# Altium PCB HDMI_to_RGB.PcbDoc (part 1 of 2)
Units mil, origin at the board's own origin, x right, y up, seen from the top; angles counter-clockwise.
Board outline 2363 x 1449 mil, 2 copper layers (Top Layer, Bottom Layer); 96 components, 139 nets, 535 pads, 200 vias.
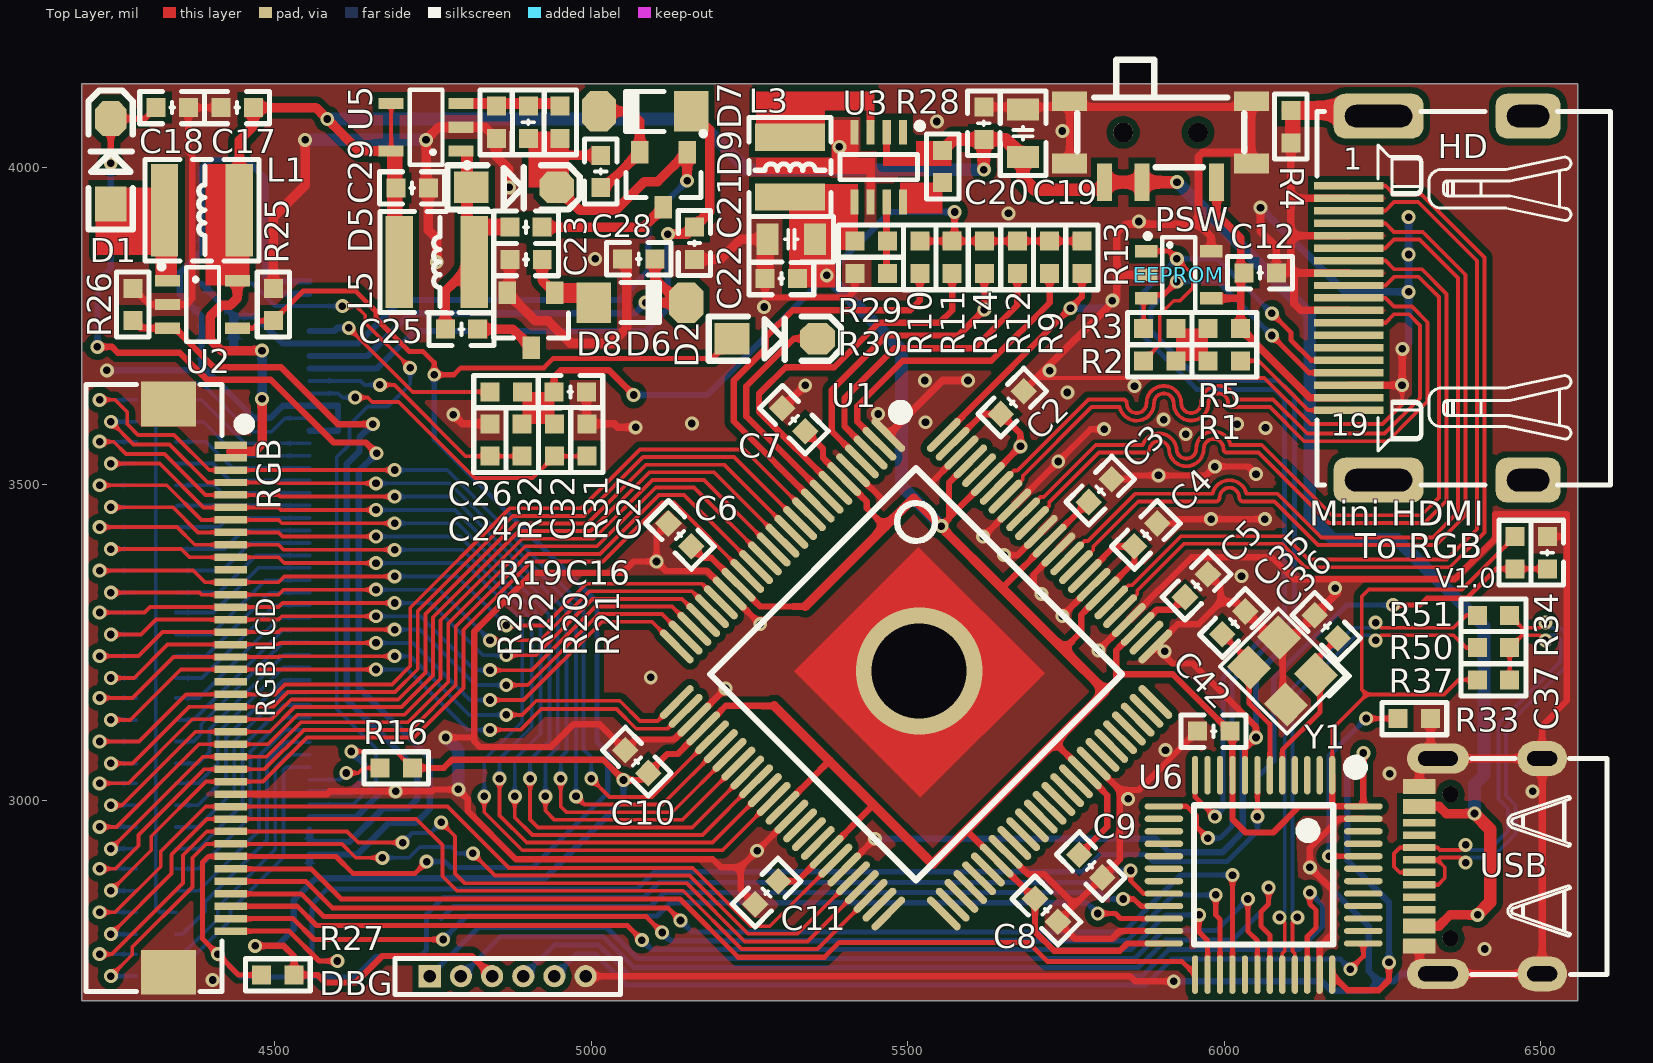
[diagram p0: Top Layer view]
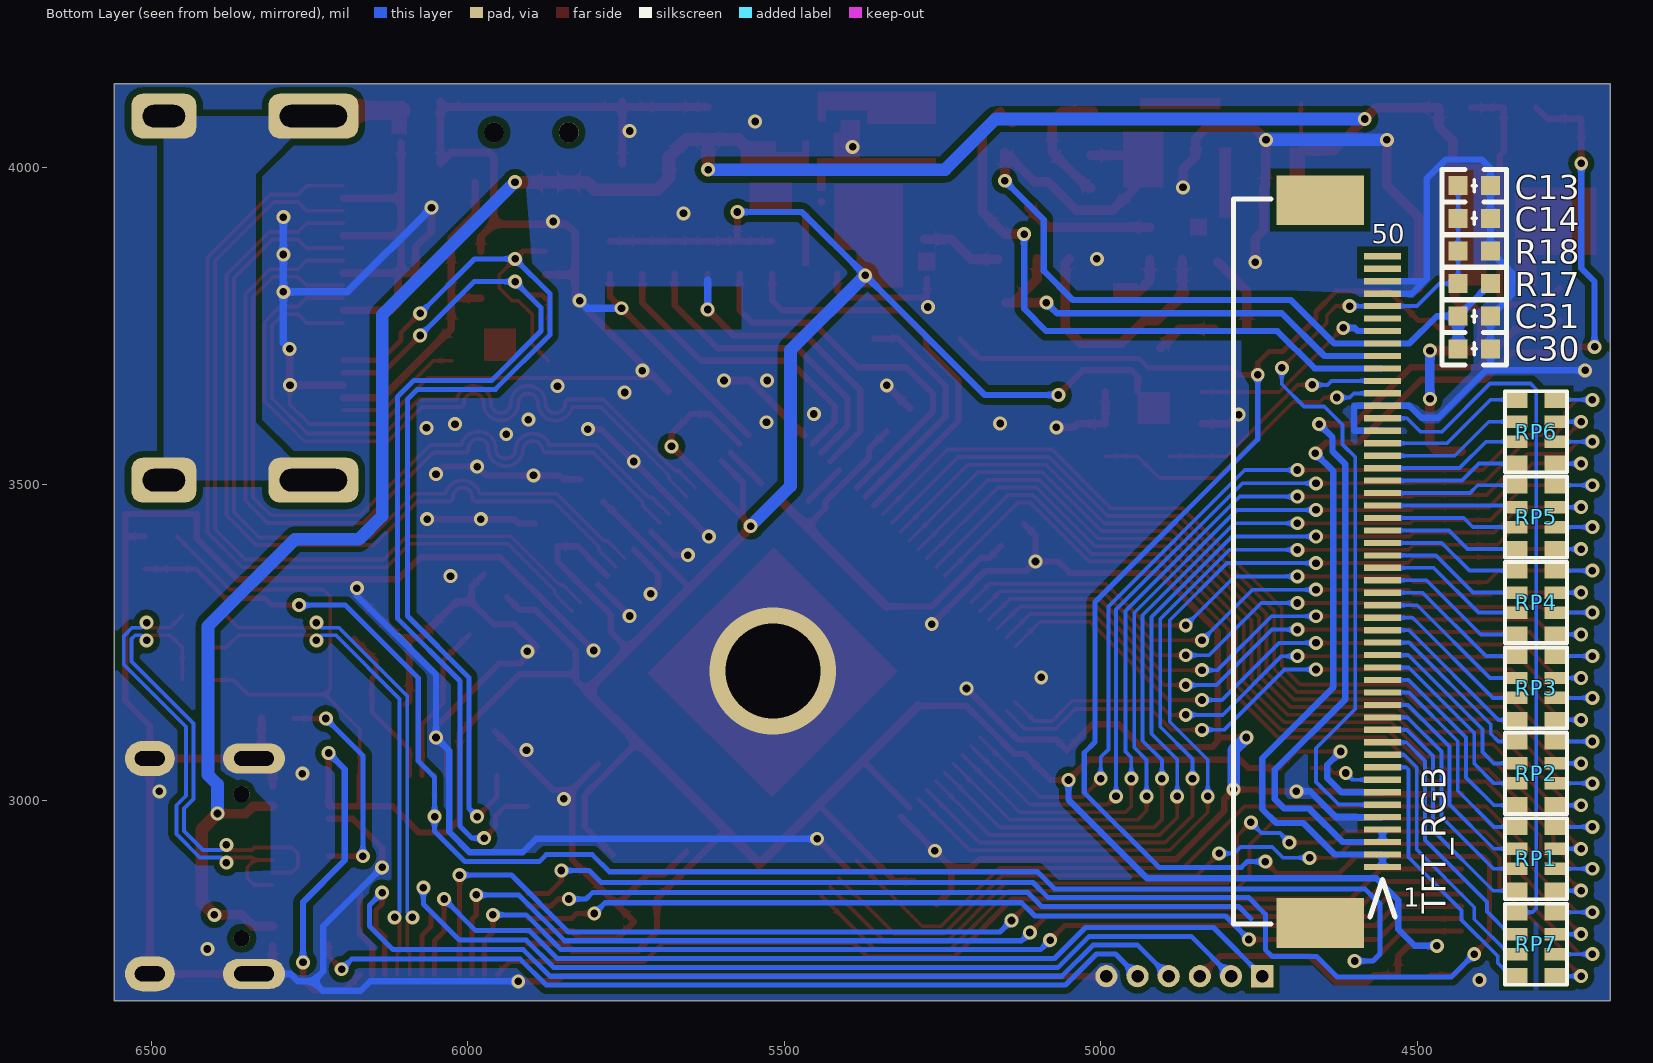
[diagram p1: Bottom Layer view, seen from below]
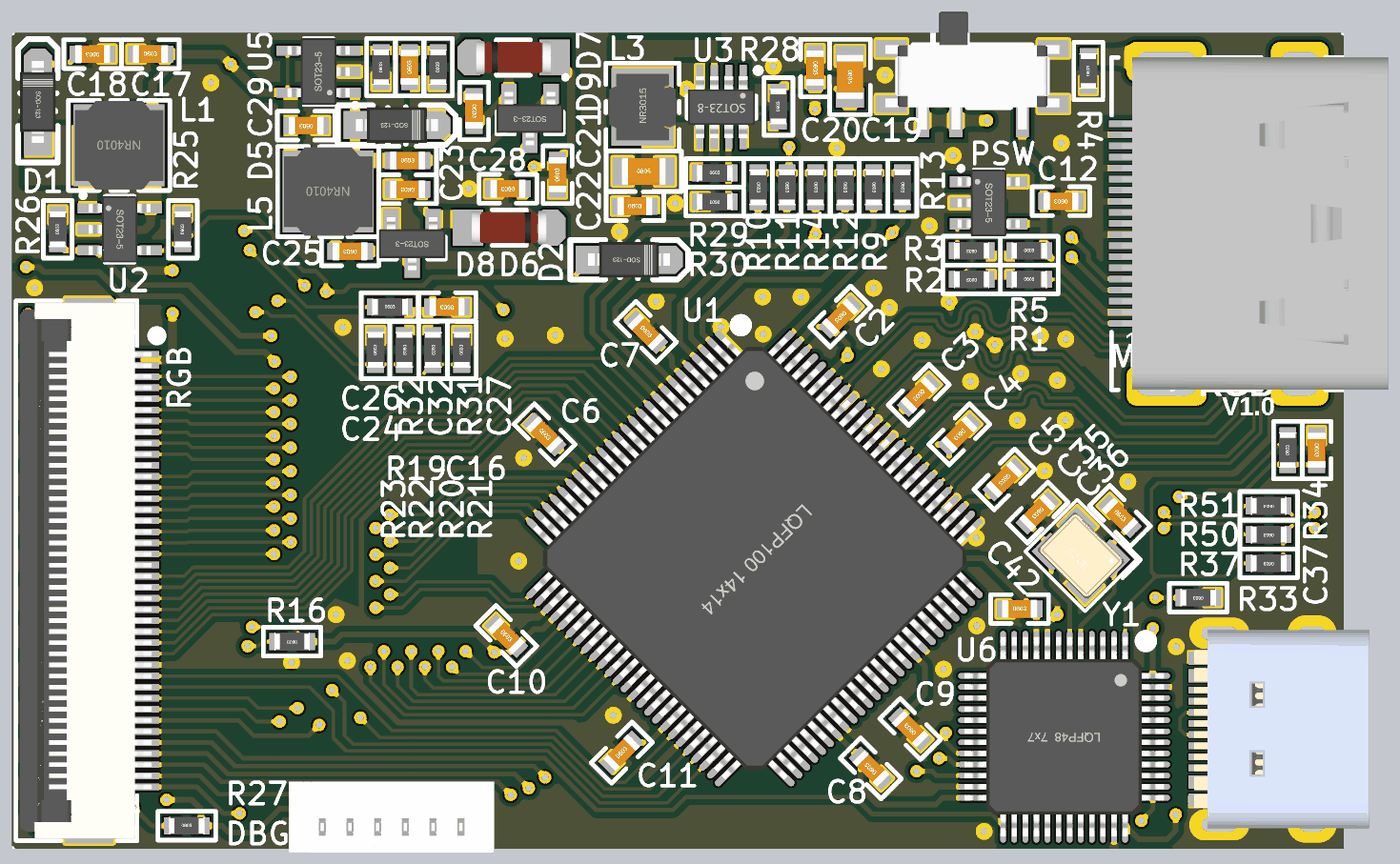
[diagram p3: 3D render of the assembled board from above, using the file's embedded part models]
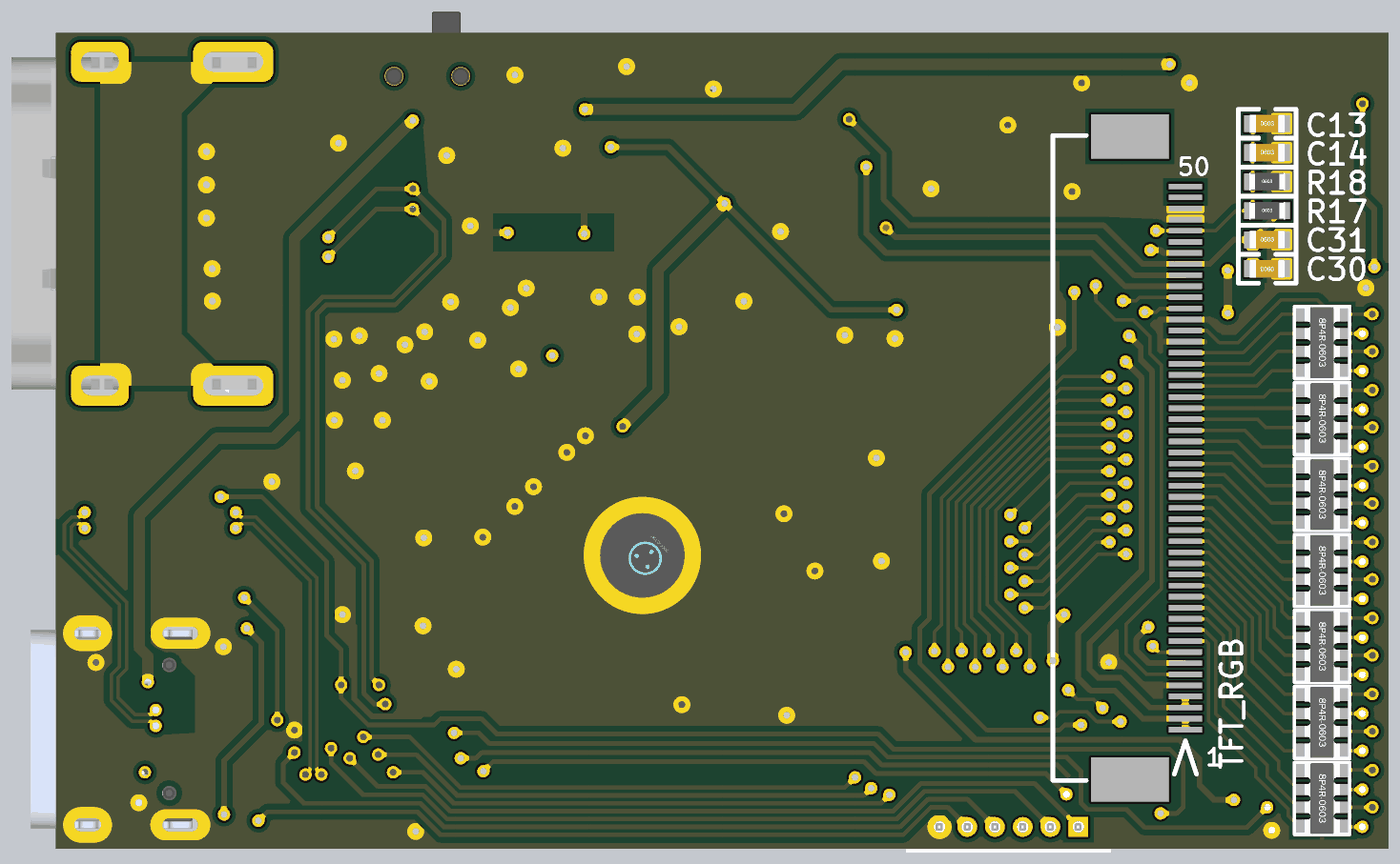
[diagram p4: 3D render of the assembled board from below, using the file's embedded part models]

## Layer stack, top to bottom
Top Solder: solder mask 0.4, Solder Resist, Dk 3.5
Top Layer: signal copper 1.4
Dielectric 1: dielectric 12.6, FR-4, Dk 4.8
Bottom Layer: signal copper 1.4
Bottom Solder: solder mask 0.4, Solder Resist, Dk 3.5

## Board outline
4195,2684 6558,2684 6558,4133 4195,4133

## Design rules (kind name [scope] priority, off if disabled: settings)
Clearance [All] p1: gap=6
DiffPairsRouting DiffPair_hdmiDiffPairsRouting [All] p1: maxlimit=6 minlimit=6 mostfreqgap=6 toplayer_minwidth=6 toplayer_maxwidth=6 toplayer_prefwidth=6 bottomlayer_minwidth=6 bottomlayer_maxwidth=6 bottomlayer_prefwidth=6 maxuncoupledlength=500
DiffPairsRouting [All] p2: maxlimit=10 minlimit=10 mostfreqgap=10 toplayer_minwidth=15 toplayer_maxwidth=15 toplayer_prefwidth=15 bottomlayer_minwidth=15 bottomlayer_maxwidth=15 bottomlayer_prefwidth=15 maxuncoupledlength=500
MatchedLengths DiffPair_hdmiMatchedLengths [All] p1: tolerance=1000 checknetsindiffpair=FALSE checkdiffpairvsdiffpair=TRUE checkxsignals=TRUE checkothers=TRUE
PlaneConnect [All] p1: planeconnectstyle=Direct reliefexpansion=20 reliefentries=4 reliefconductorwidth=10 reliefairgap=10
PolygonConnect [All] p1: connectstyle=Direct reliefconductorwidth=10 reliefentries=4 polygonreliefangle="45 Angle" airgapwidth=10
RoutingVias [All] p1: holewidth=12 width=22 viastyle="Through Hole" minholewidth=12 minwidth=22 maxholewidth=200 maxwidth=500
SolderMaskExpansion [All] p1: expansion=4
Width [All] p1: maxlimit=500 minlimit=6 preferedwidth=6 minimp=50.000000 maximp=50.000000 favimp=50.000000
28 further rules are at their usual default settings.

## Classes and differential pairs
differential pair HDMI_D0: +D0N -D0P
differential pair HDMI_D1: +D1N -D1P
differential pair HDMI_D2: +D2N -D2P
differential pair HDMI_CLK: +CLKP -CLKN
differential pair USB: +PA11 -PA12

## Components (designator, comment, footprint, x,y, rotation, side; value= is the part's Value field where it differs from the comment)
C2 "104" "C 0603_L" 5665,3629 r225 top
C3 "104" "C 0603_L" 5804,3490 r225 top
C4 "104" "C 0603_L" 5876,3420 r225 top
C5 "104" "C 0603_L" 5956,3340 r225 top
C6 "104" "C 0603_L" 5140,3420 r315 top
C7 "104" "C 0603_L" 5320,3602 r315 top
C8 "104" "C 0603_L" 5719,2827 r135 top
C9 "104" "C 0603_L" 5789,2897 r135 top
C10 "104" "C 0603_L" 5072,3062 r315 top
C11 "4.7uF" "C 0603_L" 5277,2855 r45 top
C12 "104" "C 0603_L" 6056.41,3834 r180 top
C13 "104" "C 0603_L" 4409.99,3971.59 r180 bottom
C14 "1uF" "C 0603_L" 4409.99,3920.07 r180 bottom
C16 "104" "C 0603_L" 4967,3646 r180 top
C17 "1uF" "C 0603_L" 4440.59,4095 r0 top
C18 "1uF" "C 0603_L" 4338,4095 r180 top
C19 "47uF" "C 0805_L" 5682,4054.6 r270 top
C20 "104" "C 0603_L" 5620,4070.34 r270 top
C21 "47uF" "C 0805_L" 5316,3887 r0 top
C22 "104" "C 0603_L" 5300.26,3825 r0 top
C23 "1uF" "C 0603_L" 5075,3856 r180 top
C24 "4.7uF" "C 0603_L" 4897,3855 r180 top
C25 "1uF" "C 0603_L" 4795,3745 r180 top
C26 "1uF" "C 0603_L" 4897,3906 r0 top
C27 "1uF" "C 0603_L" 5015,3994 r270 top
C28 "4.7uF" "C 0603_L" 5163,3881 r90 top
C29 "10uF" "C 0603_L" 4717,3968 r180 top
C30 "10uF" "C 0603_L" 4410,3714 r0 bottom
C31 "104" "C 0603_L" 4409.99,3765.52 r180 bottom
C32 "22" "C 0603_L" 4900.5,4071.71 r90 top
C35 "22pF" "C 0603_L" 6015,3281 r225 top
C36 "22pF" "C 0603_L" 6161,3275 r315 top
C37 "104" "C 0603_L" 6510,3392 r270 top
C42 "104" "C 0603_L" 5983,3110 r0 top
D1 "MBR0520" SOD-123 4241,4010 r90 top
D2 "IN4148" SOD-123 5290,3730 r0 top
D5 "MBR0520" SOD-123 4878,3969 r0 top
D6 "ZMM3V9" "MINI_MELF (LL34)" 5077.03,3787 r0 top
D7 "ZMM4V7" "MINI_MELF (LL34)" 5085,4089 r180 top
D8 "BAT54S" SOT23-3L 4905,3759 r180 top
D9 "BAT54S" SOT23-3L 5114,3981 r180 top
DBG "Header 6" "MX 1.25-LI-6P" 4868.43,2723 r0 top
EEPROM "AT24C02" AT24C02 5928,3831 r270 top
HD "HDMI" HDMI_A 6342,3794 r270 top locked
L1 "4.7uH" NR4010 4385,3933 r180 top
L3 "1uH" NR3015 5314,4001 r90 top
L5 "4.7uH" NR4010 4756,3851 r180 top
PSW "SWITCH" SWITCH 5899.3,4055.79 r180 top
R1 "10K" "R 0603_L" 6000,3695 r0 top
R2 "10K" "R 0603_L" 5898,3695 r180 top
R3 "10K" "R 0603_L" 5898,3746 r180 top
R4 "0R" "R 0603_L" 6105,4065 r90 top
R5 "0R" "R 0603_L" 6000,3746 r0 top
R9 "10K" "R 0603_L" 5724,3858.4 r270 top
R10 "10K" "R 0603_L" 5519,3858.4 r270 top
R11 "10K" "R 0603_L" 5570,3858.4 r270 top
R12 "10K" "R 0603_L" 5673,3858.4 r270 top
R13 "NC" "R 0603_L" 5775,3858.4 r270 top
R14 "NC" "R 0603_L" 5621,3858.4 r270 top
R16 "4.7K" "R 0603_L" 4692,3052 r180 top
R17 "51K" "R 0603_L" 4409.99,3817.04 r180 bottom
R18 "39K" "R 0603_L" 4409.99,3868.55 r180 bottom
R19 "10K" "R 0603_L" 4865.6,3646 r0 top
R20 "10K" "R 0603_L" 4942,3570 r270 top
R21 "NC" "R 0603_L" 4993,3570 r90 top
R22 "NC" "R 0603_L" 4891,3570 r270 top
R23 "10K" "R 0603_L" 4840,3570 r90 top
R25 "100K" "R 0603_L" 4498,3784 r90 top
R26 "10R" "R 0603_L" 4276,3784 r90 top
R27 "4.7K" "R 0603_L" 4505,2725 r0 top
R28 "10K" "R 0603_L" 5555,4002 r90 top
R29 "180K" "R 0603_L" 5442,3884 r0 top
R30 "40.2K" "R 0603_L" 5442,3833 r180 top
R31 "732K" "R 0603_L" 4951,4071.71 r90 top
R32 "100K" "R 0603_L" 4850,4071.71 r90 top
R33 "10K" "R 0603_L" 6300,3130 r180 top
R34 "10K" "R 0603_L" 6459,3392 r90 top
R37 "1.5K" "R 0603_L" 6425,3191 r180 top
R50 "10R" "R 0603_L" 6425,3242 r180 top
R51 "10R" "R 0603_L" 6425,3293 r180 top
RGB "RGBLCD" "FPC0.5 2H-WS-40P" 4332,3178 r270 top
RP1 "33R" P_pack 4312.5,2908.51 r0 bottom
RP2 "33R" P_pack 4312.5,3043.4 r0 bottom
RP3 "33R" P_pack 4312.5,3178.3 r0 bottom
RP4 "33R" P_pack 4312.5,3313.2 r0 bottom
RP5 "33R" P_pack 4312.5,3448.1 r0 bottom
RP6 "33R" P_pack 4312.5,3583 r0 bottom
RP7 "33R" P_pack 4312.5,2773.61 r0 bottom
TFT_RGB "TFTLCD" FPC-TOP50 4555,2895.58 r90 bottom locked
U1 "tfp401a" LQFP100 5513,3200 r225 top locked
U2 "MP3302DJ" SOT23-5L 4386,3784 r270 top
U3 "MP2144" SOT23-8L 5454,4001 r180 top
U5 "TPS61040" SOT23-5L 4739,4064 r90 top
U6 "STM32F103C8T6" "LQFP48 7X7_L" 6062,2883 r180 top locked
USB "USB TypeC" "USB Type-C" 6404.93,2896.78 r90 top
Y1 "8M" "OSC 3225-4P" 6092,3205 r135 top

## Footprints (in the part's own frame and the unit in brackets; to place one, negate y for a bottom-side part, rotate by r counter-clockwise, add the part's x,y. Pads: shape width x height; smd on the part's side, far side on the other; paste and mask are expansions set on the pad)
AT24C02 [mm]
  rect 0.5x0.9 smd: 1(-0.95,-1.3) 2(0,-1.3) 3(0.95,-1.3) 4(0.95,1.3) 5(-0.95,1.3)
  silkscreen extent -1.63,-1.32 1.5,0.66, body extent -1.5,-1.4 1.5,1.4, height 1.15
"C 0603_L" [mil] "无极性贴片电容"
  rect 30x30 smd: 1(-25.59,0) 2(25.59,0)
  silkscreen extent -51,-26 51,26, body extent -31,-16 31,16, height 32
"C 0805_L" [mil] "无极性贴片电容"
  rect 35x50 smd: 1(-37.4,0) 2(37.4,0)
  silkscreen extent -67,-36 67,36, body extent -39,-24 39,24, height 20
"FPC0.5 2H-WS-40P" [mm] "长：24.2mm，宽：5.2mm，高：2mm"
  rect 1.8x2.2 smd: 0(-11.4,0) 0(11.4,0)
  rect 0.3x1.3 smd: 1(-9.75,2.497) 2(-9.25,2.497) 3(-8.75,2.497) 4(-8.25,2.497) 5(-7.75,2.497) 6(-7.25,2.497) 7(-6.75,2.497) 8(-6.25,2.497) 9(-5.75,2.497) 10(-5.25,2.497) 11(-4.75,2.497) 12(-4.25,2.497) 13(-3.75,2.497) 14(-3.25,2.497) 15(-2.75,2.497) 16(-2.25,2.497) 17(-1.75,2.497) 18(-1.25,2.497) 19(-0.75,2.497) 20(-0.25,2.497) 21(0.25,2.497) 22(0.75,2.497) 23(1.25,2.497) 24(1.75,2.497) 25(2.25,2.497) 26(2.75,2.497) 27(3.25,2.497) 28(3.75,2.497) 29(4.25,2.497) 30(4.75,2.497) 31(5.25,2.497) 32(5.75,2.497) 33(6.25,2.497) 34(6.75,2.497) 35(7.25,2.497) 36(7.75,2.497) 37(8.25,2.497) 38(8.75,2.497) 39(9.25,2.497) 40(9.75,2.497)
  silkscreen extent -12.17,-3.3 12.17,3.23, body extent -12.1,-3.15 12.1,2.85, height 2
FPC-TOP50 [mm]
  rect 0.25x1.5 smd: 1(0,0) 2(0.5,0) 3(1,0) 4(1.5,0) 5(2,0) 6(2.5,0) 7(3,0) 8(3.5,0) 9(4,0) 10(4.5,0) 11(5,0) 12(5.5,0) 13(6,0) 14(6.5,0) 15(7,0) 16(7.5,0) 17(8,0) 18(8.5,0) 19(9,0) 20(9.5,0) 21(10,0) 22(10.5,0) 23(11,0) 24(11.5,0) 25(12,0) 26(12.5,0) 27(13,0) 28(13.5,0) 29(14,0) 30(14.5,0) 31(15,0) 32(15.5,0) 33(16,0) 34(16.5,0) 35(17,0) 36(17.5,0) 37(18,0) 38(18.5,0) 39(19,0) 40(19.5,0) 41(20,0) 42(20.5,0) 43(21,0) 44(21.5,0) 45(22,0) 46(22.5,0) 47(23,0) 48(23.5,0) 49(24,0) 50(24.5,0)
  rect 2x3.5 smd: A(-2.25,2.5) B(26.75,2.5)
  silkscreen extent -2.29,-0.5 26.8,5.97
HDMI_A [mm]
  rect 0.3x2.794 smd mask+0.05: 1(-4.507,-3.697) 2(-4.007,-3.697) 3(-3.507,-3.697) 4(-3.007,-3.697) 5(-2.507,-3.697) 6(-2.007,-3.697) 7(-1.507,-3.697) 8(-1.007,-3.697) 9(-0.507,-3.697) 10(-0.007,-3.697) 11(0.493,-3.697) 12(0.993,-3.697) 13(1.493,-3.697) 14(1.993,-3.697) 15(2.493,-3.697) 16(2.993,-3.697) 17(3.493,-3.697) 18(3.993,-3.697) 19(4.493,-3.697)
  rrect50% 1.8x3.6 hole 0.9 slot 2.7 at 90 deg: G1(7.302,-2.5) G4(-7.302,-2.5)
  rrect50% 1.8x2.6 hole 0.9 slot 1.7 at 90 deg: G2(7.302,3.5) G3(-7.302,3.5)
  silkscreen extent -7.49,-4.97 7.49,6.8, body extent -7.51,-4.5 7.49,7.5, height 6.08
"LQFP48 7X7_L" [mm] "48脚，体宽7x7mm，脚距0.5mm"
  oval 0.25x1.55 smd: 1(-2.75,-4) 2(-2.25,-4) 3(-1.75,-4) 4(-1.25,-4) 5(-0.75,-4) 6(-0.25,-4) 7(0.25,-4) 8(0.75,-4) 9(1.25,-4) 10(1.75,-4) 11(2.25,-4) 12(2.75,-4) 25(2.75,4) 26(2.25,4) 27(1.75,4) 28(1.25,4) 29(0.75,4) 30(0.25,4) 31(-0.25,4) 32(-0.75,4) 33(-1.25,4) 34(-1.75,4) 35(-2.25,4) 36(-2.75,4)
  oval 1.55x0.25 smd: 13(4,-2.75) 14(4,-2.25) 15(4,-1.75) 16(4,-1.25) 17(4,-0.75) 18(4,-0.25) 19(4,0.25) 20(4,0.75) 21(4,1.25) 22(4,1.75) 23(4,2.25) 24(4,2.75) 37(-4,2.75) 38(-4,2.25) 39(-4,1.75) 40(-4,1.25) 41(-4,0.75) 42(-4,0.25) 43(-4,-0.25) 44(-4,-0.75) 45(-4,-1.25) 46(-4,-1.75) 47(-4,-2.25) 48(-4,-2.75)
  silkscreen extent -3.93,-4.57 2.79,2.79, body extent -4.5,-4.5 4.5,4.5, height 1.45
LQFP100 [mm]
  oval 0.3x1.8 smd: 1(-6,-7.575) 2(-5.5,-7.575) 3(-5,-7.575) 4(-4.5,-7.575) 5(-4,-7.575) 6(-3.5,-7.575) 7(-3,-7.575) 8(-2.5,-7.575) 9(-2,-7.575) 10(-1.5,-7.575) 11(-1,-7.575) 12(-0.5,-7.575) 13(0,-7.575) 14(0.5,-7.575) 15(1,-7.575) 16(1.5,-7.575) 17(2,-7.575) 18(2.5,-7.575) 19(3,-7.575) 20(3.5,-7.575) 21(4,-7.575) 22(4.5,-7.575) 23(5,-7.575) 24(5.5,-7.575) 25(6,-7.575) 51(6,7.575) 52(5.5,7.575) 53(5,7.575) 54(4.5,7.575) 55(4,7.575) 56(3.5,7.575) 57(3,7.575) 58(2.5,7.575) 59(2,7.575) 60(1.5,7.575) 61(1,7.575) 62(0.5,7.575) 63(0,7.575) 64(-0.5,7.575) 65(-1,7.575) 66(-1.5,7.575) 67(-2,7.575) 68(-2.5,7.575) 69(-3,7.575) 70(-3.5,7.575) 71(-4,7.575) 72(-4.5,7.575) 73(-5,7.575) 74(-5.5,7.575) 75(-6,7.575)
  oval 1.8x0.3 smd: 26(7.575,-6) 27(7.575,-5.5) 28(7.575,-5) 29(7.575,-4.5) 30(7.575,-4) 31(7.575,-3.5) 32(7.575,-3) 33(7.575,-2.5) 34(7.575,-2) 35(7.575,-1.5) 36(7.575,-1) 37(7.575,-0.5) 38(7.575,0) 39(7.575,0.5) 40(7.575,1) 41(7.575,1.5) 42(7.575,2) 43(7.575,2.5) 44(7.575,3) 45(7.575,3.5) 46(7.575,4) 47(7.575,4.5) 48(7.575,5) 49(7.575,5.5) 50(7.575,6) 76(-7.575,6) 77(-7.575,5.5) 78(-7.575,5) 79(-7.575,4.5) 80(-7.575,4) 81(-7.575,3.5) 82(-7.575,3) 83(-7.575,2.5) 84(-7.575,2) 85(-7.575,1.5) 86(-7.575,1) 87(-7.575,0.5) 88(-7.575,0) 89(-7.575,-0.5) 90(-7.575,-1) 91(-7.575,-1.5) 92(-7.575,-2) 93(-7.575,-2.5) 94(-7.575,-3) 95(-7.575,-3.5) 96(-7.575,-4) 97(-7.575,-4.5) 98(-7.575,-5) 99(-7.575,-5.5) 100(-7.575,-6)
  silkscreen extent -7.23,-8.12 5.84,5.84, body extent -8,-8 8,8, height 1.45
"MINI_MELF (LL34)" [mm] "1.5*3.4mm(直径，脚距）"
  rect 1.37x1.62 smd: 1(-1.855,0)
  oct 1.37x1.62 smd: 2(1.855,0)
  silkscreen extent -0.76,-0.8 0.78,0.8, body extent -1.7,-0.75 1.7,0.75, height 1.5
"MX 1.25-LI-6P" [mil] "长：9.25mm，宽：3.2mm，高：4.2mm"
  rect 35x35 hole 19.68: 1(-123.43,0)
  round 35 hole 19.68: 2(-74.21,0) 3(-25,0) 4(24.21,0) 5(73.43,0) 6(122.64,0)
  silkscreen extent -178,-29 178,28, body extent -182,-45 182,81, height 167
NR3015 [mm]
  rect 1.1x2.8 smd: 1(-1.2,0) 2(1.2,0)
  silkscreen extent -1.98,-1.65 1.98,1.65, body extent -1.5,-1.5 1.5,1.5, height 1.45
NR4010 [mm] "4.0mm*4.0mm*1.0mm(长*宽*高）"
  rect 1.1x3.7 smd: 1(-1.5,0) 2(1.5,0)
  silkscreen extent -2.29,-2.03 2.29,2.03, body extent -2,-2 2,2, height 1.1
"OSC 3225-4P" [mm]
  rect 1.3x1.2 smd: 1(-1.05,-0.85) 2(1.05,-0.85) 3(1.05,0.85) 4(-1.05,0.85)
  silkscreen extent -2.03,-1.75 1.9,1.65, body extent -1.6,-1.25 1.6,1.25, height 0.7
P_pack [mm]
  rect 0.9x0.65 smd: 1(-0.8,1.28) 2(0.8,1.28) 7(-0.8,-1.28) 8(0.8,-1.28)
  rect 0.9x0.5 smd: 3(-0.8,0.4) 4(0.8,0.4) 5(-0.8,-0.4) 6(0.8,-0.4)
  silkscreen extent -1.24,-1.63 1.24,1.63, body extent -0.8,-1.6 0.8,1.6, height 0.6
"R 0603_L" [mil] "1/10W贴片电阻"
  rect 30x30 smd: 1(-25.59,0) 2(25.59,0)
  silkscreen extent -51,-26 51,26, body extent -31,-16 32,16, height 16
SOD-123 [mil] "2.7x1.6X1.1mm（长宽高，不包括引脚）"
  rect 55x50 smd: 1(-67.5,0)
  oct 55x50 smd: 2(67.5,0)
  silkscreen extent -108,-35 112,35, body extent -73,-31 73,31, height 48
SOT23-3L [mm]
  rect 0.7x0.9 smd: 1(-0.95,-1.1) 2(0.95,-1.1) 3(0,1.1)
  silkscreen extent -1.5,-0.29 1.5,0.71, body extent -1.5,-1.19 1.5,1.21, height 1.05
SOT23-5L [mm] "3x1.6x1.1mm(长宽高)"
  rect 0.45x1 smd: 1(-0.95,-1.4) 2(0,-1.4) 3(0.95,-1.4) 4(0.95,1.4) 5(-0.95,1.4)
  silkscreen extent -1.6,-1.73 1.5,0.66, body extent -1.5,-1.4 1.5,1.4, height 1.15
SOT23-8L [mm] "3x1.6x1.1mm(长宽高)"
  rect 0.325x1 smd: 1(-0.975,-1.397) 2(-0.325,-1.397) 3(0.325,-1.397) 4(0.975,-1.397) 5(0.975,1.397) 6(0.325,1.397) 7(-0.325,1.397) 8(-0.975,1.397)
  silkscreen extent -1.78,-1.78 1.55,0.51, body extent -1.5,-1.4 1.5,1.4, height 1.15
SWITCH [mm]
  rect 0.6x1.5 smd: 1(-2.25,1.996) 2(0.75,1.996) 3(2.25,1.996)
  rect 1.4x0.8 smd: 4(-3.65,1.25) 5(-3.65,-1.25) 6(3.65,1.25) 7(3.65,-1.25)
  round 0.8 hole 0.8: " "(-1.5,0) " "(1.5,0)
  silkscreen extent -3.35,-2.92 3.35,1.4, body extent -3.92,-2.9 3.92,2.4, height 1.5
"USB Type-C" [mm] "USB Type-C 12P/16P"
  rect 0.6x1.3 smd mask+0.064: 1(-3.2,2.462) 2(-2.4,2.462) 11(2.4,2.462) 12(3.2,2.462)
  rect 0.3x1.3 smd mask+0.064: 3(-1.75,2.462) 4(-1.25,2.462) 5(-0.75,2.462) 6(-0.25,2.463) 7(0.25,2.463) 8(0.75,2.462) 9(1.25,2.462) 10(1.75,2.462)
  oval 1.2x2.5 hole 0.6 slot 1.6 at 90 deg: SH1(-4.32,1.718) SH3(4.32,1.717)
  oval 1.4x2 hole 0.6 slot 1.2 at 90 deg: SH2(-4.32,-2.462) SH4(4.32,-2.462)
  round 0.65 hole 0.65 unplated mask+0: ""(-2.89,1.218) ""(2.89,1.218)
  silkscreen extent -4.34,-5.07 4.32,0.37, body extent -4.47,-5.04 4.47,2.86, height 3.2

## Part data
C2 C3 C4 C5 C6 C7 C8 C9 C10 C11 C12 C13 C14 C16 C17 C18 C19 C20 C21 C22 C23 C24 C25 C26 C27 C28 C29 C30 C31 C32 C37 C42: library part C
C35 C36: library part CAP
D1 D2 D5: library part D, "1N4148"
D6 D7: library part ZMM3V6, "ZMM3V6"
D8 D9: "双肖特基二极管"
DBG: "Header, 6-Pin"
L1 L3: library part L
L5: library part L_SOP
R1 R2 R3 R4 R5 R9 R10 R11 R12 R13 R14 R16 R17 R18 R19 R20 R21 R22 R23 R25 R26 R27 R28 R29 R30 R31 R32 R33 R34: library part R
R37 R50 R51: library part R, "贴片电阻"
RGB: library part FPC-40, "FPC-40P-0.5mm"
RP1 RP2 RP3 RP4 RP5 RP6 RP7: library part R_pack
TFT_RGB: library part AT070TN92, "7' TFTLCD"
U2: library part MP3302, "LCD背光IC"
U5: "DC DC Step Up IC"
U6: library part U-STM32F103C8T6
USB: library part "USB Type-C", "12P TypeC 母座"
Y1: library part XTAL-4P, "4脚无源晶振"

## Via types
v1: diameter 22, hole 12, Top Layer to Bottom Layer, 146 vias
v2: diameter 22/22 (per signal layer), hole 12, Top Layer to Bottom Layer, 53 vias
v3: diameter 200, hole 150, Top Layer to Bottom Layer, 1 vias

## Nets (pads, with @x,y where several pads share a name; then routed paths per layer and width w, separated by ;. In a path a pad name is that pad's centre, name@x,y a point inside that pad or via, vN(x,y) a via of type N, cw(c..) or ccw(c..) an arc to the next point about the centre after c; other vN are vias at no path point)
BOOT0: R33.2 U6.44 | length 346.1
  Top Layer w8: v1(6165.47,2912.53) U6.44@6219.46,2912.53 ; v1(6224,3130) R33.2@6274.41,3130
  Bottom Layer w8: v1(6165.47,2912.53) 6165.47,3071.47 v1(6224,3130)
CLK: RGB.30 RP7.7 U1.44 | length 1424.3
  Top Layer w6: v1(4223.39,2824) 4248,2824 4320,2896 4320,2920 4390.99,2990.99 RGB.30@4430.31,2990.99 4773.01,2990.99 4870,2894 5160.3,2894 5252.3,2802 5282.03,2802 U1.44@5385.63,2905.59
  Bottom Layer w6: v1(4223.39,2824) RP7.7@4281,2824
CLKN: HD.12 U1.94 | length 1108.7
  Top Layer w6: U1.94@5640.37,3494.41 5667.55,3521.58 5672.98,3521.58 5785.4,3634 5839.89,3634 cw(c5839.89,3628) 5845.89,3628 ccw(c5861.39,3628) 5876.89,3628 cw(c5904.39,3628) 5931.89,3628 ccw(c5947.39,3628) 5962.89,3628 cw(c5990.39,3628) 6017.22,3634 6076.97,3634 6130.97,3580 6253,3580 6309,3636 6309,3751 6291.4,3768.6 6268.13,3768.6 6254.45,3754.92 HD.12@6196.45,3754.92
CLKP: HD.10 U1.93 | length 1138.6
  Top Layer w6: U1.93@5654.29,3480.49 5681.47,3507.66 5681.47,3513.1 5790.37,3622 5834.55,3622 ccw(c5861.39,3628) 5888.89,3628 cw(c5904.39,3628) 5919.89,3628 ccw(c5947.39,3628) 5974.89,3628 cw(c5990.39,3628) 6005.89,3628 ccw(c6011.89,3628) 6011.89,3622 6072,3622 6126,3568 6257.97,3568 6294.49,3604.51 6321,3631.03 6321,3755.97 6296.37,3780.6 6268.13,3780.6 6254.45,3794.29 HD.10@6196.45,3794.29
D0N: HD.9 U1.91 | length 1301.1
  Top Layer w6: U1.91@5682.13,3452.65 5709.31,3479.82 5714.74,3479.82 5796.92,3562 5870.88,3562 cw(c5896.99,3552.49) 5924.41,3556.97 ; 5924.49,3556 ccw(c5939.99,3556) 5955.49,3556 cw(c5982.99,3556) 6009.82,3562 6058.97,3562 6169.97,3451 6311.03,3451 6339,3478.97 6339,3795.66 6307,3827.66 6268.13,3827.66 6254.45,3813.97 HD.9@6196.45,3813.97
D0P: HD.7 U1.90 | length 1335.2
  Top Layer w6: U1.90@5696.05,3438.73 5723.23,3465.91 5723.23,3471.34 5801.89,3550 5875.49,3550 ccw(c5875.49,3556) 5881.41,3555.03 cw(c5896.99,3552.49) 5912.49,3555.44 ccw(c5939.99,3556) 5967.49,3556 cw(c5982.99,3556) 5998.49,3556 ccw(c6004.49,3556) 6004.49,3550 6054,3550 6165,3439 6316,3439 6351,3474 6351,3800.63 6311.97,3839.66 6268.13,3839.66 6254.45,3853.34 HD.7@6196.45,3853.34
D1N: HD.6 U1.86 | length 1298.6
  Top Layer w6: U1.86@5751.73,3383.05 5778.91,3410.23 5784.34,3410.23 5855.56,3481.44 5859.07,3484.96 5981.19,3484.96 cw(c6008.03,3478.96) 6034.86,3484.96 6084.01,3484.96 6152.97,3416 6329.03,3416 6369,3455.97 6369,3826.03 6308.32,3886.71 6268.13,3886.71 6254.45,3873.03 HD.6@6196.45,3873.03
D1P: HD.4 U1.85 | length 1332.4
  Top Layer w6: U1.85@5765.65,3369.13 5792.82,3396.31 5792.82,3401.74 5864.04,3472.96 5986.53,3472.96 ccw(c5986.53,3478.96) 5992.53,3478.96 cw(c6008.03,3478.96) 6023.53,3478.96 ccw(c6029.53,3478.96) 6029.53,3472.96 6079.04,3472.96 6148,3404 6334,3404 6381,3451 6381,3831 6313.29,3898.71 6268.13,3898.71 6254.45,3912.4 HD.4@6196.45,3912.4
D2N: HD.3 U1.81 | length 1326.9
  Top Layer w6: U1.81@5821.33,3313.45 5848.5,3340.63 5853.94,3340.63 5931.31,3418 6095.97,3418 6132.97,3381 6351.03,3381 6399,3428.97 6399,3853.03 6306.26,3945.77 6268.13,3945.77 6254.45,3932.08 HD.3@6196.45,3932.08
D2P: HD.1 U1.80 | length 1356.7
  Top Layer w6: U1.80@5835.25,3299.53 5862.42,3326.71 5862.42,3332.14 5936.28,3406 6091,3406 6128,3369 6356,3369 6411,3424 6411,3858 6311.23,3957.77 6268.13,3957.77 6254.45,3971.45 HD.1@6196.45,3971.45
D+: R37.1 R50.1 USB.6 USB.8 | length 767.7
  Top Layer w6: USB.6@6307.98,2886.94 6277.06,2886.94 6268,2896 6268,2917 6277.31,2926.31 USB.8@6307.98,2926.31 6336.57,2926.31 6340.42,2922.46 6373,2922.46 v1(6381,2930.46) ; R37.1@6450.59,3191 R50.1@6450.59,3242 6470.09,3261.5 6499,3261.5 v1(6507,3253.5)
  Bottom Layer w6: v1(6381,2930.46) 6389,2922.46 6418,2922.46 6448,2952.46 6448,2988 6433,3003 6433,3122 6516,3205 6531,3220 6531,3255.5 6525,3261.5 6515,3261.5 v1(6507,3253.5)
D-: R51.1 USB.5 USB.7 | length 725.7
  Top Layer w6: USB.5@6307.98,2867.25 6337.25,2867.25 6348,2878 6348,2895.2 6336.57,2906.62 ; USB.7@6307.98,2906.62 6336.57,2906.62 ; v1(6381,2902.46) 6373,2910.46 6340.42,2910.46 6336.57,2906.62 ; R51.1@6450.59,3293 6470.09,3273.5 6499,3273.5 v1(6507,3281.5)
  Bottom Layer w6: v1(6381,2902.46) 6389,2910.46 6422.97,2910.46 6460,2947.49 6460,2992.97 6445,3007.97 6445,3117.03 6543,3215.03 6543,3260.47 6529.97,3273.5 6515,3273.5 v1(6507,3281.5)
DDC_SCL: EEPROM.1 HD.15 R2.2 U6.12 | length 1800.5
  Top Layer w6: R2.2@5872.41,3695 5898,3720.59 5898,3768 5920,3790 5930,3790 5950,3810 5950,3831 v1(5925,3856)
  Top Layer w8: EEPROM.1@5876.82,3868.4 5912.6,3868.4 v1(5925,3856) ; U6.12@5953.73,3040.46 5953.73,3006.27 v1(5985,2975) ; v1(6075,3770) 6105,3740 6105,3728 6137.14,3695.86 HD.15@6196.45,3695.86
  Bottom Layer w8: v1(5985,2975) 5998,2988 5998,3195 6095,3292 6095,3634.2 6079.2,3650 5956.2,3650 5870,3736.2 5870,3801 v1(5925,3856) 5989,3856 v1(6075,3770)
DDC_SDA: EEPROM.3 HD.16 R3.2 U6.13 | length 1671.7
  Top Layer w6: R3.2@5872.41,3746 5872.41,3789.19 EEPROM.3@5876.82,3793.6
  Top Layer w8: EEPROM.3@5876.82,3793.6 5882.22,3799 5904,3799 v1(5925,3820) ; U6.13@5904.54,2991.27 5940.73,2991.27 5956,2976 5956,2959 v1(5974,2941) ; v1(6075,3735) 6133.82,3676.18 HD.16@6196.45,3676.18
  Bottom Layer w8: v1@5974,2939 v1(5974,2941) 5993,2941 6012,2960 6012,3189.2 6111,3288.2 6111,3638 6085,3664 5962,3664 5884,3742 5884,3779 v1(5925,3820) 5990,3820 v1(6075,3735)
DE: RGB.33 RP7.1 U1.46 | length 1443.1
  Top Layer w6: v1(4241.25,2723.21) 4275,2756.96 4275,2769 4370,2864 4370,2910 4391.94,2931.94 RGB.33@4430.31,2931.94 4606.06,2931.94 4628,2910 v1(4670,2910) ; v1(4813,2917) 4848,2882 5155.33,2882 5247.33,2790 5325.71,2790 U1.46@5413.47,2877.75
  Bottom Layer w6: v1@4239.79,2723.21 v1(4241.25,2723.21) RP7.1@4281,2723.21 ; v1(4670,2910) 4712,2910 4729,2927 4779,2927 4789,2917 v1(4813,2917)
GND: C2.1 C3.1 C4.1 C5.1 C6.1 C7.1 C8.1 C9.1 C10.1 C11.1 C12.1 C13.2 C14.2 C16.1 C17.1 C18.1 C19.1 C20.1 C21.1 C22.1 C23.2 C24.2 C28.1 C29.1 C30.1 C31.2 C35.1 C36.1 C37.1 C42.1 D8.2 DBG.6 EEPROM.2 EEPROM.5 HD.2 HD.5 HD.8 HD.11 HD.17 PSW.4 PSW.5 PSW.6 PSW.7 R4.1 R18.2 R21.2 R23.2 R25.2 R26.2 R30.2 R32.1 R33.1 RGB.0 RGB.29 TFT_RGB.5 TFT_RGB.36 TFT_RGB.38 TFT_RGB.47 TFT_RGB.48 U1.1 U1.5 U1.19 U1.28 U1.39 U1.45 U1.58 U1.68 U1.76 U1.79 U1.83 U1.87 U1.89 U1.92 U1.98 U2.2 U3.4 U3.6 U5.2 U6.8 U6.23 U6.35 U6.47 USB.1 USB.12 USB.SH1 USB.SH2 USB.SH3 USB.SH4 Y1.2 Y1.4 | length 17731
  Top Layer w6: 5704,3668 6063,3668 6136,3595 6250,3595 6281,3626 6281,3656 v2(6280.51,3656.49)
  Top Layer w10: R26.2@4276,3809.59 4301.59,3784 U2.2@4330.88,3784 4361,3784 4370,3793 4370,4019 4363.59,4025.41 C18.1@4363.59,4095 C17.1@4415,4095 ; RGB.29@4430.31,3010.68 4582.68,3010.68 4587,3015 v2(4691,3015) 4749,3015 4752,3018 v2(4790,3018) 4805,3003 4805,2984 4881,2908 5192,2908 5204.84,2895.16 5236,2895.16 ; v1(4770,3100) 4815,3100 ; DBG.6@4991.06,2723 5851,2723 5859,2715 v1(5920,2715) ; C6.1@5121.9,3438.1 5103,3419.2 v1(5103,3378) ; v1(5212,3177.39) U1.28@5162.92,3128.3 5131.61,3097 5070.8,3097 C10.1@5053.9,3080.1 5013,3121 4972,3121 4936,3085 4824,3085 4815,3094 4815,3100 ; C11.1@5258.9,2836.9 5236,2859.8 5236,2895.16 ; v1(5266.97,3279) U1.19@5218.59,3327.37 5182.97,3363 5118,3363 v1(5103,3378) ; C22.1@5274.66,3825 5274.66,3795 5406,3795 5416.41,3805.41 R30.2@5416.41,3833 ; U1.39@5316.03,2975.19 v2(5262,2921.16) 5236,2895.16 ; U1.45@5399.55,2891.67 v1(5448,2940.13) ; U1.5@5413.47,3522.25 5461.71,3474 ; 5536,3501.39 U1.98@5584.7,3550.08 ; v1(5619,3417.36) U1.92@5668.21,3466.57 v2(5737.64,3536) 5788.64,3587 v1(5810,3587) ; v1(5652,3388) 5673.16,3388 U1.89@5709.97,3424.81 ; U1.58@5654.29,2919.51 5689.81,2884 5715,2884 5763.6,2835.4 ; v1(5711,3327) 5699,3339 5699,3358.16 U1.87@5737.81,3396.97 ; v1(5744.19,3292) U1.83@5793.49,3341.29 ; U1.68@5793.49,3058.71 5835,3017.19 ; v1(5801,3237.45) U1.79@5849.17,3285.62 5948.55,3385 6075,3385 6110,3350 6364,3350 6428,3414 6428,3453 6541,3453 6541,3418 ; C3.1@5822.1,3508.1 5849.1,3508.1 5855,3514 v2(5896,3514) 5971,3514 v2(5985,3528) 6038,3528 v2(6050,3516) ; C4.1@5894.1,3438.1 5919.1,3438.1 5926,3445 v2(5979,3445) v2(6064,3445) ; U6.23@5904.54,2794.42 5834.42,2794.42 5822,2782 5764,2782 C8.1@5737.1,2808.9 5755,2826.8 5763.6,2835.4 ; C42.1@5957.41,3110 5864.6,3017.19 5835,3017.19 ; C5.1@5974.1,3358.1 5994,3338.2 5994,3314 5959,3279 5926.07,3279 5894.46,3247.39 U1.76@5890.92,3243.86 5917.78,3217 5950,3217 6050,3117 v1(6050,3100) 6032.47,3082.47 U6.8@6032.47,3040.46 ; Y1.2@6086.43,3257.89 6092,3252.33 6092,3157.67 Y1.4@6097.57,3152.11 ; U6.35@6150.58,2725.54 6150.58,2770.58 6170,2790 6170,2860 v1(6135,2895) 6135,2925 6181.58,2971.58 U6.47@6219.46,2971.58 ; USB.SH4@6501.88,3066.86 6501.88,3118.88 6541,3158 6541,3418 ; C37.1@6510,3417.59 6540.59,3417.59 6541,3418 ; 4815,3100 4815,3267.41 4907.59,3360 5049,3360 5067,3378 v1(5103,3378) ; 5763.6,2835.4 C9.1@5807.1,2878.9 5835,2906.8 5835,3017.19
  Top Layer w12: v2(4782,3610) 4796.41,3595.59 R23.2@4840,3595.59 ; C16.1@4992.59,3646 4992.59,3596 R21.2@4993,3595.59 5036.41,3595.59 5042,3590 v2(5070,3590) ; C7.1@5301.9,3620.1 v1(5338,3656.19) ; U3.6@5441,3946.2 U3.6@5441.2,3946 ; U1.1@5469.14,3577.92 5555.22,3664 v1(5595,3664) ; C20.1@5620,4095.93 PSW.7@5755.6,4095.93 ; C2.1@5683.1,3647.1 5704,3668 5830,3794 5830,3831 ; PSW.6@5755.6,4006.57 PSW.7@5755.6,4095.93 ; PSW.7@5755.6,4105 PSW.7@5755.6,4095.93 ; EEPROM.2@5876.82,3831 5830,3831 ; EEPROM.5@5979.18,3868.4 5979.18,3890.82 5959,3911 ; 5994,3314 6018.2,3314 C35.1@6033.1,3299.1 6074.3,3257.89 Y1.2@6086.43,3257.89 6107.7,3257.89 C36.1@6142.9,3293.1 6177.8,3328 6175,3330.8 v2(6175,3336) ; v2(6057,3937) 6057,3900 6082,3875 C12.1@6082,3834 ; C12.1@6082,3833.66 6105,3833.66 ; R4.1@6105,4039.41 6105,3951.77 ; HD.17@6196.45,3656.49 v2(6280.51,3656.49) 6281,3656.99 v2(6281,3714) ; HD.11@6196.45,3774.6 6120.4,3774.6 6110,3785 6110,3828.66 6105,3833.66 ; HD.8@6196.45,3833.66 6105,3833.66 ; HD.5@6196.45,3892.71 6105,3892.71 ; HD.2@6196.45,3951.77 6105,3951.77 ; USB.SH1@6307.98,2710 USB.1@6307.98,2770.8 ; USB.12@6307.98,3022.76 USB.SH3@6307.98,3082 ; R33.1@6325.59,3130 6325.59,3078.58 USB.SH3@6337.31,3066.86 USB.SH4@6501.88,3066.86 USB.SH2@6501.88,2726.7 USB.SH1@6337.31,2726.7 ; PSW.7@5755.6,4095.93 6033.93,4095.93 PSW.5@6043,4105 PSW.4@6043,4006.57 6025.57,4024 5966,4024 5959,4017 5959,3911 ; 5830,3831 5830,3897 5844,3911 5959,3911 ; 6105,3833.66 6105,3892.71 ; 6105,3892.71 6105,3951.77
  Top Layer w15: R25.2@4498,3809.59 4498,3922 4548,3972 v1(4548,4044) ; v2(4756,3851) 4756,3888 4742.59,3901.41 C29.1@4742.59,3968 4739,3971.6 v2(4739,4044) 4759,4064 U5.2@4794.12,4064 4832.12,4064 R32.1@4850,4046.12 4850,4018 4870,3998 v1(4870,3969) ; C24.2@4871.41,3855 4871.41,3806.12 D8.2@4867.6,3802.31 4911.91,3758 4932,3758 4967,3723 5032,3723 5056,3747 5056,3849.42 C23.2@5049.41,3856 ; C28.1@5163,3855.41 5204.41,3855.41 5236,3887 C21.1@5278.6,3887
  Bottom Layer w10: v1(4235,3680) 4385,3680 ; TFT_RGB.5@4555,2974.32 4628.32,2974.32 4669,3015 v2(4691,3015) ; TFT_RGB.36@4555,3584.56 4600,3584.56 4600,3623.93 TFT_RGB.38@4555,3623.93 4512.93,3623.93 4494,3605 4467,3605 4392,3680 4385,3680 ; TFT_RGB.47@4555,3801.09 4508.91,3801.09 4489.22,3820.78 ; TFT_RGB.48@4555,3820.78 4489.22,3820.78 ; v1(5448,2940.13) 5891.87,2940.13 5913,2919 5997,2919 6029,2951 6029,3079 v1(6050,3100) 6050,3199 6175,3324 v2(6175,3336) ; v1(5920,2715) 6154,2715 6169,2700 6229,2700 6244,2715 ; v1(6135,2895) 6228,2802 6228,2731 6244,2715 ; USB.SH1@6337.31,2726.7 6279.7,2726.7 6268,2715 6244,2715 ; 4385,3680 4384.41,3680.59 C30.1@4384.41,3714 C31.2@4384.41,3765.52 4350,3799.93 4350,3834.15 R18.2@4384.41,3868.55 C13.2@4384.41,3971.58 4384.41,3999.41 4398,4013 4455,4013 4485,3983 4485,3825 4489.22,3820.78
  Bottom Layer w12: v2(5621,3776) 5621,3822 ; v2(5756.93,3778) 5811,3778 v2(5823,3790) ; v2(6057,3937) 6190,3804 v2(6291,3804) ; v2(6281,3714) 6291,3724 v2(6291,3804) ; v2(6291,3922) v2(6291,3863) v2(6291,3804)
  Bottom Layer w20: v1(4548,4044) v2(4739,4044) ; v1(4770,3100) 4790,3080 v2(4790,3018)
  other v2: 4402,2717 6411,2766 5848,3003 6487,3015 6261,3043 5907,3080 5094,3195 5905.7,3236.15 6027,3355 5939,3579 6065,3589 6020,3595 5159,3596 5528,3598 5904,3602 5453,3611 5752,3645 5858,3655 5527,3664 5723.97,3679.49 5273,3780 5006,3856 5865,3915 5659,3928 5392,4033 5744,4058 5546,4073
  other v3: 5518,3205
HDMI_5V: C12.2 EEPROM.4 HD.18 PSW.1 R5.2 | length 509.5
  Top Layer w12: EEPROM.4@5979.18,3793.6 6025.19,3793.6 6025.59,3794 ; PSW.1@5987.88,3977.2 5987.88,3927.12 6025.59,3889.41 6025.59,3794 ; HD.18@6196.45,3636.81 6134.78,3636.81 R5.2@6025.59,3746 6025.59,3794
HSYNC: RGB.31 RP7.5 U1.48 | length 1481.1
  Top Layer w6: v1(4241.25,2789.35) 4337,2885.1 4337,2915 4393.31,2971.31 RGB.31@4430.31,2971.31 4723.69,2971.31 4765,2930 4765,2881 4788,2858 5145.38,2858 5237.38,2766 5357.39,2766 U1.48@5441.3,2849.92
  Bottom Layer w6: v1@4241.35,2789.35 RP7.5@4281,2789.35
JTCK: DBG.5 U6.37 | length 1364.8
  Top Layer w8: v1(6199,2734) 6219.46,2754.46 U6.37@6219.46,2774.73
  Bottom Layer w8: DBG.5@4941.85,2723 4976.85,2758 5006.6,2758 5055.6,2709 5875.79,2709 5916.79,2750 6183,2750 v1(6199,2734)
JTMS: DBG.4 U6.34 | length 1536.4
  Top Layer w8: U6.34@6130.9,2725.54 6130.9,2785.9 6145,2800 6145,2827 6135,2837 v1(6135,2855)
  Bottom Layer w8: DBG.4@4892.64,2723 4941.64,2772 5012.4,2772 5061.4,2723 5869.99,2723 5911.99,2765 6118,2765 6155,2802 6155,2835 v1(6135,2855)
LCD_B0: RGB.21 RP2.7 U1.10 | length 1465.7
  Top Layer w6: v1(4223.39,3093.8) 4285.8,3093.8 4360.16,3168.16 RGB.21@4430.31,3168.16 4500.36,3168.16 4516.21,3184 4685.21,3184 4714,3212.79 4714,3305 4871,3462 4984,3462 5077,3555 5241.52,3555 U1.10@5343.87,3452.65
  Bottom Layer w6: v1@4223.2,3093.8 v1(4223.39,3093.8) RP2.7@4281,3093.8
LCD_B1: RGB.22 RP2.5 U1.11 | length 1427.5
  Top Layer w6: v1(4241.25,3059.15) 4275.15,3059.15 4364.47,3148.47 RGB.22@4430.31,3148.47 4497.65,3148.47 4521.18,3172 4690.18,3172 4726,3207.82 4726,3300.03 4875.97,3450 4988.97,3450 5081.97,3543 5225.68,3543 U1.11@5329.95,3438.73
  Bottom Layer w6: v1@4239.85,3059.15 v1(4241.25,3059.15) RP2.5@4281,3059.15
LCD_B2: RGB.23 RP2.3 U1.12 | length 1456.7
  Top Layer w6: v1(4223.39,3027.66) 4268.66,3027.66 4369.79,3128.79 RGB.23@4430.31,3128.79 4494.93,3128.79 4526.15,3160 4695.15,3160 4738,3202.85 4738,3295.06 4880.94,3438 4993.94,3438 5086.94,3531 5209.84,3531 U1.12@5316.03,3424.81
  Bottom Layer w6: v1(4223.39,3027.66) RP2.3@4281,3027.66
LCD_B3: RGB.24 RP2.1 U1.13 | length 1418.5
  Top Layer w6: v1(4241.25,2993.01) 4259.01,2993.01 4375.1,3109.1 RGB.24@4430.31,3109.1 4492.22,3109.1 4531.12,3148 4700.12,3148 4750,3197.88 4750,3290.09 4885.91,3426 4998.91,3426 5091.91,3519 5194,3519 U1.13@5302.11,3410.89
  Bottom Layer w6: v1@4239.99,2993.01 v1(4241.25,2993.01) RP2.1@4281,2993.01
LCD_B4: RGB.25 RP1.7 U1.14 | length 1449
  Top Layer w6: v1(4223.39,2958.9) 4249.9,2958.9 4380.42,3089.42 RGB.25@4430.31,3089.42 4489.51,3089.42 4536.09,3136 4705.09,3136 4762,3192.91 4762,3285.12 4890.88,3414 5003.88,3414 5096.88,3507 5178.16,3507 U1.14@5288.19,3396.97
  Bottom Layer w6: v1(4223.39,2958.9) RP1.7@4281,2958.9
LCD_B5: RGB.26 RP1.5 U1.15 | length 1409.6
  Top Layer w6: v1(4241.25,2924.25) 4386.73,3069.73 RGB.26@4430.31,3069.73 4486.79,3069.73 4541.06,3124 4710.06,3124 4774,3187.94 4774,3280.15 4895.85,3402 5008.85,3402 5101.85,3495 5162.32,3495 U1.15@5274.27,3383.05
  Bottom Layer w6: v1(4241.25,2924.25) RP1.5@4281,2924.25
LCD_B6: RGB.27 RP1.3 U1.16 | length 1450.2
  Top Layer w6: v1(4223.39,2892.76) 4248.76,2892.76 4285,2929 4285,2946 4389.05,3050.05 RGB.27@4430.31,3050.05 4484.08,3050.05 4546.03,3112 4715.03,3112 4786,3182.97 4786,3275.18 4900.82,3390 5013.82,3390 5106.82,3483 5146.48,3483 U1.16@5260.35,3369.13
  Bottom Layer w6: v1(4223.39,2892.76) RP1.3@4281,2892.76
LCD_B7: RGB.28 RP1.1 U1.17 | length 1413.7
  Top Layer w6: v1(4241.25,2858.11) 4305,2921.86 4305,2944 4391.36,3030.36 RGB.28@4430.31,3030.36 4481.36,3030.36 4551,3100 4720,3100 4798,3178 4798,3270.21 4905.79,3378 5018.79,3378 5111.79,3471 5130.64,3471 U1.17@5246.43,3355.21
  Bottom Layer w6: v1(4241.25,2858.11) RP1.1@4281,2858.11